# Altium PCB FMC_DAC_125M_14B_16CHA.PcbDoc (part 7 of 9) (continued)
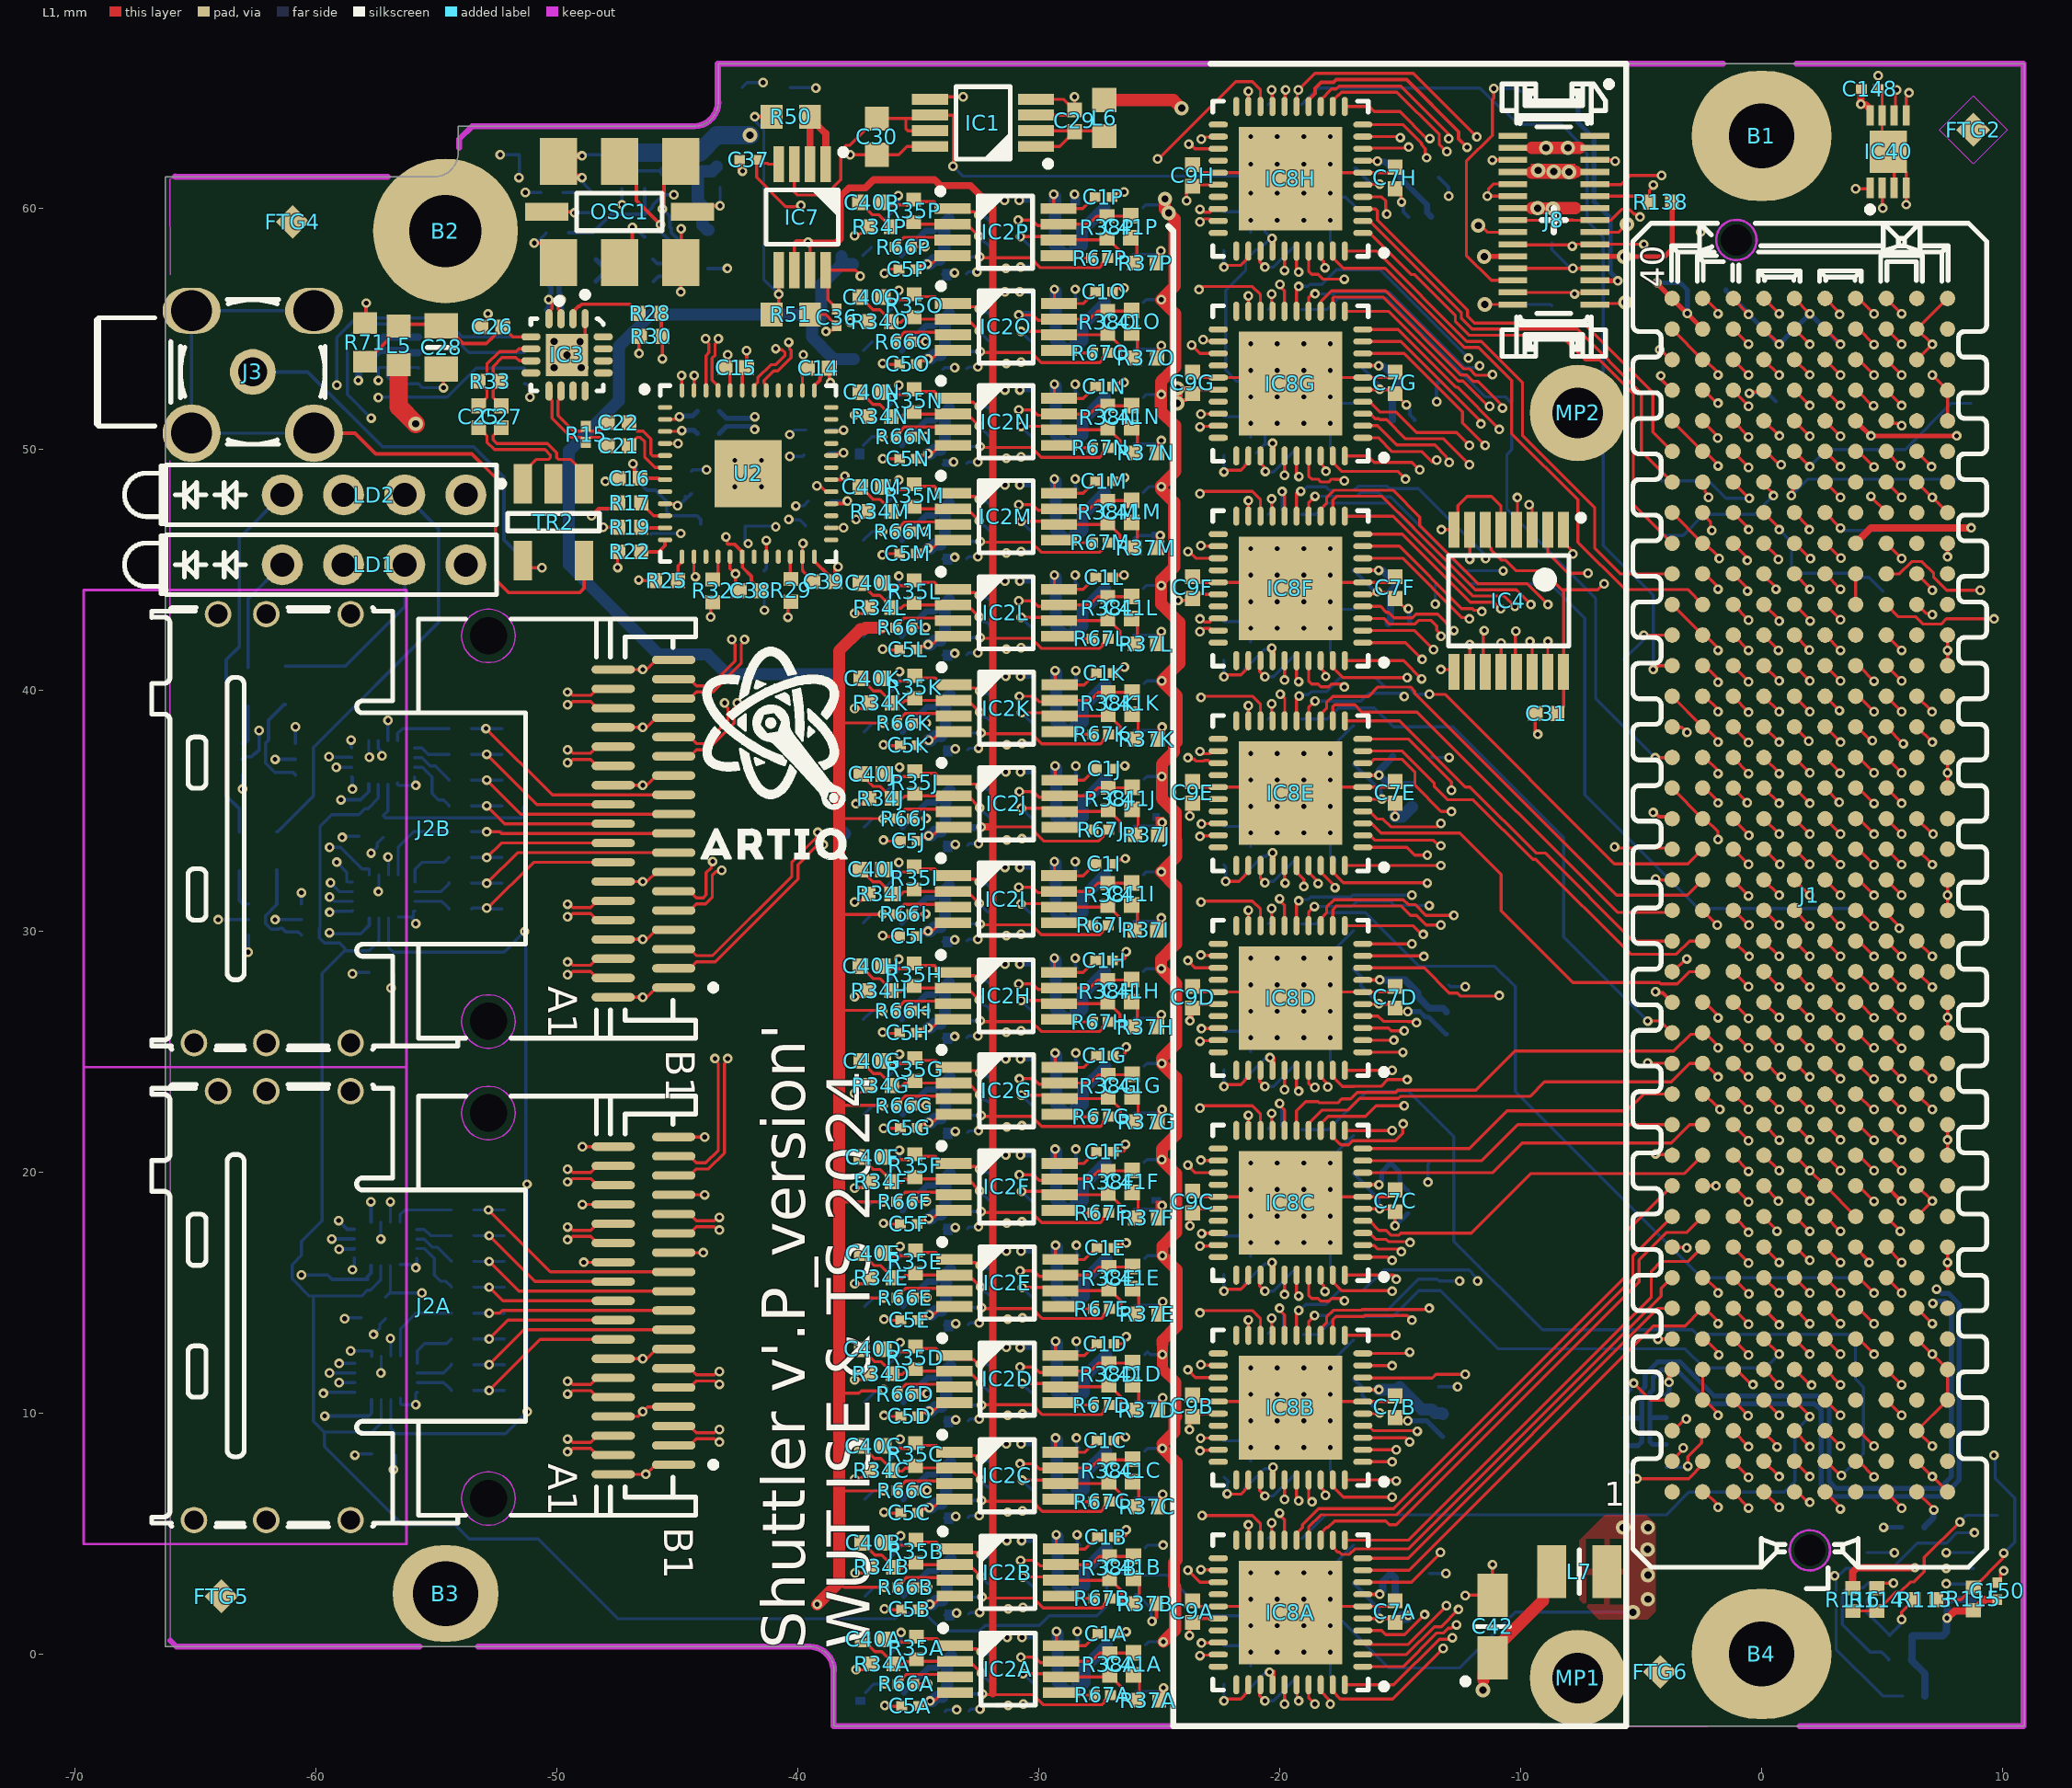
[diagram p0: L1 view]
## Nets (pads, with @x,y where several pads share a name; then routed paths per layer and width w, separated by ;. In a path a pad name is that pad's centre, name@x,y a point inside that pad or via, vN(x,y) a via of type N, cw(c..) or ccw(c..) an arc to the next point about the centre after c; other vN are vias at no path point) (continued)
  L8 w0.127: v1(-29.353,48.763) -29.301,48.71 -29.301,48.61 -29.3,48.609 -29.234,48.544 -29.234,48.471 -29.098,48.334 C2M.1@-29.073,48.334 ; C3M.1@-28.662,46.274 C3M.1@-28.662,46.873
  L8 w0.5: v1@-29.3,48.684 -29.3,48.609 -29.3,48.334 -29.3,46.649 -28.925,46.274 C3M.1@-28.662,46.274 -28.565,46.274 -28.19,46.649 -28.19,47.257 -27.258,48.189 L1M.1@-27.258,48.214
NetC1N_1: C1N.1 C2N.1 C3N.1 IC2N.8 L1N.1 | length 9
  L1 w0.127: v1(-29.353,52.7) -29.353,52.271 -29.192,52.11 IC2N.8@-29.16,52.11 -29.156,52.106 -28.153,52.106 -27.661,52.598 C1N.1@-27.636,52.598
  L8 w0.127: v1(-29.353,52.7) -29.301,52.647 -29.301,52.547 -29.3,52.546 -29.234,52.481 -29.234,52.408 -29.098,52.271 C2N.1@-29.073,52.271 ; C3N.1@-28.662,50.211 C3N.1@-28.662,50.81
  L8 w0.5: v1@-29.3,52.621 -29.3,52.546 -29.3,52.271 -29.3,50.586 -28.925,50.211 C3N.1@-28.662,50.211 -28.565,50.211 -28.19,50.586 -28.19,51.194 -27.258,52.126 L1N.1@-27.258,52.151
NetC1O_1: C1O.1 C2O.1 C3O.1 IC2O.8 L1O.1 | length 9
  L1 w0.127: v1(-29.353,56.637) -29.353,56.208 -29.192,56.047 IC2O.8@-29.16,56.047 -29.156,56.043 -28.153,56.043 -27.661,56.535 C1O.1@-27.636,56.535
  L8 w0.127: v1(-29.353,56.637) -29.301,56.585 -29.301,56.484 -29.3,56.483 -29.234,56.418 -29.234,56.345 -29.098,56.208 C2O.1@-29.073,56.208 ; C3O.1@-28.662,54.148 C3O.1@-28.662,54.747
  L8 w0.5: v1@-29.3,56.558 -29.3,56.483 -29.3,56.208 -29.3,54.523 -28.925,54.148 C3O.1@-28.662,54.148 -28.565,54.148 -28.19,54.523 -28.19,55.131 -27.258,56.063 L1O.1@-27.258,56.088
NetC1P_1: C1P.1 C2P.1 C3P.1 IC2P.8 L1P.1 | length 9
  L1 w0.127: v1(-29.379,60.574) -29.379,60.145 -29.217,59.984 IC2P.8@-29.185,59.984 -29.182,59.98 -28.179,59.98 -27.687,60.472 C1P.1@-27.662,60.472
  L8 w0.127: v1(-29.379,60.574) -29.327,60.522 -29.327,60.421 -29.325,60.42 -29.26,60.355 -29.26,60.282 -29.123,60.145 C2P.1@-29.098,60.145 ; C3P.1@-28.688,58.085 C3P.1@-28.688,58.684
  L8 w0.5: v1@-29.325,60.495 -29.325,60.42 -29.325,60.145 -29.325,58.46 -28.95,58.085 C3P.1@-28.688,58.085 -28.59,58.085 -28.215,58.46 -28.215,59.068 -27.283,60 L1P.1@-27.283,60.025
NetC4A_1: C4A.1 C5A.1 C6A.2 IC2A.4 L2A.2 | length 6.1
  L1 w0.127: C5A.1@-34.988,-2.164 -34.852,-2.028 -34.659,-2.028 -34.586,-1.955 v1(-34.512,-1.955) ; v1@-34.474,-1.91 -34.467,-1.903 -34.297,-1.903 -33.999,-1.605 IC2A.4@-33.474,-1.605
  L8 w0.254: L2A.2@-35.592,-1.605 -35.592,-1.58 -34.591,-0.579 -34.236,-0.579 C6A.2@-33.916,-0.259
  L8 w0.5: v1(-34.512,-1.955) -34.416,-1.955 -34.246,-1.785 C4A.1@-33.988,-1.785 ; C4A.1@-33.957,-1.693 -33.811,-1.548 C6A.2@-33.811,-0.456 ; C6A.2@-33.811,-0.261 C6A.2@-33.632,-0.081
NetC4B_1: C4B.1 C5B.1 C6B.2 IC2B.4 L2B.2 | length 6.1
  L1 w0.127: C5B.1@-34.998,1.849 -34.861,1.986 -34.668,1.986 -34.596,2.058 v1(-34.522,2.058) ; v1@-34.484,2.103 -34.477,2.11 -34.306,2.11 -34.009,2.408 IC2B.4@-33.484,2.408
  L8 w0.254: L2B.2@-35.602,2.408 -35.602,2.433 -34.601,3.434 -34.246,3.434 C6B.2@-33.925,3.754
  L8 w0.5: v1(-34.522,2.058) -34.426,2.058 -34.256,2.228 C4B.1@-33.998,2.228 ; C4B.1@-33.966,2.321 -33.821,2.466 C6B.2@-33.821,3.557 ; C6B.2@-33.821,3.752 C6B.2@-33.641,3.932
NetC4C_1: C4C.1 C5C.1 C6C.2 IC2C.4 L2C.2 | length 6.1
  L1 w0.127: C5C.1@-35.023,5.862 -34.887,5.999 -34.694,5.999 -34.621,6.071 v1(-34.547,6.071) ; v1@-34.51,6.116 -34.502,6.123 -34.332,6.123 -34.034,6.421 IC2C.4@-33.509,6.421
  L8 w0.254: L2C.2@-35.627,6.421 -35.627,6.446 -34.626,7.447 -34.271,7.447 C6C.2@-33.951,7.767
  L8 w0.5: v1(-34.547,6.071) -34.452,6.071 -34.281,6.242 C4C.1@-34.023,6.242 ; C4C.1@-33.992,6.334 -33.847,6.479 C6C.2@-33.847,7.57 ; C6C.2@-33.847,7.765 C6C.2@-33.667,7.945
NetC4D_1: C4D.1 C5D.1 C6D.2 IC2D.4 L2D.2 | length 6.1
  L1 w0.127: C5D.1@-35.023,9.876 -34.887,10.012 -34.694,10.012 -34.621,10.084 v1(-34.547,10.084) ; v1@-34.51,10.13 -34.502,10.137 -34.332,10.137 -34.034,10.434 IC2D.4@-33.509,10.434
  L8 w0.254: L2D.2@-35.627,10.434 -35.627,10.459 -34.626,11.46 -34.271,11.46 C6D.2@-33.951,11.781
  L8 w0.5: v1(-34.547,10.084) -34.452,10.084 -34.281,10.255 C4D.1@-34.023,10.255 ; C4D.1@-33.992,10.347 -33.847,10.492 C6D.2@-33.847,11.583 ; C6D.2@-33.847,11.779 C6D.2@-33.667,11.958
NetC4E_1: C4E.1 C5E.1 C6E.2 IC2E.4 L2E.2 | length 6.1
  L1 w0.127: C5E.1@-35.023,13.863 -34.887,14 -34.694,14 -34.621,14.072 v1(-34.547,14.072) ; v1@-34.51,14.117 -34.502,14.124 -34.332,14.124 -34.034,14.422 IC2E.4@-33.509,14.422
  L8 w0.254: L2E.2@-35.627,14.422 -35.627,14.447 -34.626,15.448 -34.271,15.448 C6E.2@-33.951,15.768
  L8 w0.5: v1(-34.547,14.072) -34.452,14.072 -34.281,14.243 C4E.1@-34.023,14.243 ; C4E.1@-33.992,14.335 -33.847,14.48 C6E.2@-33.847,15.571 ; C6E.2@-33.847,15.766 C6E.2@-33.667,15.946
NetC4F_1: C4F.1 C5F.1 C6F.2 IC2F.4 L2F.2 | length 6.1
  L1 w0.127: C5F.1@-35.049,17.851 -34.912,17.987 -34.719,17.987 -34.647,18.06 v1(-34.573,18.06) ; v1@-34.535,18.105 -34.528,18.112 -34.357,18.112 -34.06,18.41 IC2F.4@-33.535,18.41
  L8 w0.254: L2F.2@-35.653,18.41 -35.653,18.435 -34.652,19.436 -34.296,19.436 C6F.2@-33.976,19.756
  L8 w0.5: v1(-34.573,18.06) -34.477,18.06 -34.307,18.23 C4F.1@-34.049,18.23 ; C4F.1@-34.017,18.322 -33.872,18.468 C6F.2@-33.872,19.559 ; C6F.2@-33.872,19.754 C6F.2@-33.692,19.934
NetC4G_1: C4G.1 C5G.1 C6G.2 IC2G.4 L2G.2 | length 6.1
  L1 w0.127: C5G.1@-35.049,21.839 -34.912,21.975 -34.719,21.975 -34.647,22.048 v1(-34.573,22.048) ; v1@-34.535,22.093 -34.528,22.1 -34.357,22.1 -34.06,22.398 IC2G.4@-33.535,22.398
  L8 w0.254: L2G.2@-35.653,22.398 -35.653,22.423 -34.652,23.424 -34.296,23.424 C6G.2@-33.976,23.744
  L8 w0.5: v1(-34.573,22.048) -34.477,22.048 -34.307,22.218 C4G.1@-34.049,22.218 ; C4G.1@-34.017,22.31 -33.872,22.455 C6G.2@-33.872,23.547 ; C6G.2@-33.872,23.742 C6G.2@-33.692,23.922
NetC4H_1: C4H.1 C5H.1 C6H.2 IC2H.4 L2H.2 | length 6.1
  L1 w0.127: C5H.1@-35.074,25.776 -34.938,25.912 -34.745,25.912 -34.672,25.985 v1(-34.598,25.985) ; v1@-34.56,26.03 -34.553,26.037 -34.383,26.037 -34.085,26.335 IC2H.4@-33.56,26.335
  L8 w0.254: L2H.2@-35.678,26.335 -35.678,26.36 -34.677,27.361 -34.322,27.361 C6H.2@-34.002,27.681
  L8 w0.5: v1(-34.598,25.985) -34.502,25.985 -34.332,26.155 C4H.1@-34.074,26.155 ; C4H.1@-34.043,26.247 -33.897,26.392 C6H.2@-33.897,27.484 ; C6H.2@-33.897,27.679 C6H.2@-33.718,27.859
NetC4I_1: C4I.1 C5I.1 C6I.2 IC2I.4 L2I.2 | length 6.1
  L1 w0.127: C5I.1@-35.074,29.789 -34.938,29.925 -34.745,29.925 -34.672,29.998 v1(-34.598,29.998) ; v1@-34.56,30.043 -34.553,30.05 -34.383,30.05 -34.085,30.348 IC2I.4@-33.56,30.348
  L8 w0.254: L2I.2@-35.678,30.348 -35.678,30.373 -34.677,31.374 -34.322,31.374 C6I.2@-34.002,31.694
  L8 w0.5: v1(-34.598,29.998) -34.502,29.998 -34.332,30.168 C4I.1@-34.074,30.168 ; C4I.1@-34.043,30.26 -33.897,30.406 C6I.2@-33.897,31.497 ; C6I.2@-33.897,31.692 C6I.2@-33.718,31.872
NetC4J_1: C4J.1 C5J.1 C6J.2 IC2J.4 L2J.2 | length 6.1
  L1 w0.127: C5J.1@-35.049,33.751 -34.912,33.888 -34.719,33.888 -34.647,33.96 v1(-34.573,33.96) ; v1@-34.535,34.005 -34.528,34.012 -34.357,34.012 -34.06,34.31 IC2J.4@-33.535,34.31
  L8 w0.254: L2J.2@-35.653,34.31 -35.653,34.335 -34.652,35.336 -34.296,35.336 C6J.2@-33.976,35.656
  L8 w0.5: v1(-34.573,33.96) -34.477,33.96 -34.307,34.131 C4J.1@-34.049,34.131 ; C4J.1@-34.017,34.223 -33.872,34.368 C6J.2@-33.872,35.459 ; C6J.2@-33.872,35.654 C6J.2@-33.692,35.834
NetC4K_1: C4K.1 C5K.1 C6K.2 IC2K.4 L2K.2 | length 6.1
  L1 w0.127: C5K.1@-35.049,37.714 -34.912,37.85 -34.719,37.85 -34.647,37.923 v1(-34.573,37.923) ; v1@-34.535,37.968 -34.528,37.975 -34.357,37.975 -34.06,38.273 IC2K.4@-33.535,38.273
  L8 w0.254: L2K.2@-35.653,38.273 -35.653,38.298 -34.652,39.299 -34.296,39.299 C6K.2@-33.976,39.619
  L8 w0.5: v1(-34.573,37.923) -34.477,37.923 -34.307,38.093 C4K.1@-34.049,38.093 ; C4K.1@-34.017,38.185 -33.872,38.33 C6K.2@-33.872,39.422 ; C6K.2@-33.872,39.617 C6K.2@-33.692,39.797
NetC4L_1: C4L.1 C5L.1 C6L.2 IC2L.4 L2L.2 | length 6.1
  L1 w0.127: C5L.1@-35.074,41.676 -34.938,41.813 -34.745,41.813 -34.672,41.885 v1(-34.598,41.885) ; v1@-34.56,41.93 -34.553,41.937 -34.383,41.937 -34.085,42.235 IC2L.4@-33.56,42.235
  L8 w0.254: L2L.2@-35.678,42.235 -35.678,42.26 -34.677,43.261 -34.322,43.261 C6L.2@-34.002,43.581
  L8 w0.5: v1(-34.598,41.885) -34.502,41.885 -34.332,42.055 C4L.1@-34.074,42.055 ; C4L.1@-34.043,42.148 -33.897,42.293 C6L.2@-33.897,43.384 ; C6L.2@-33.897,43.579 C6L.2@-33.718,43.759
NetC4M_1: C4M.1 C5M.1 C6M.2 IC2M.4 L2M.2 | length 6.1
  L1 w0.127: C5M.1@-35.074,45.664 -34.938,45.8 -34.745,45.8 -34.672,45.873 v1(-34.598,45.873) ; v1@-34.56,45.918 -34.553,45.925 -34.383,45.925 -34.085,46.223 IC2M.4@-33.56,46.223
  L8 w0.254: L2M.2@-35.678,46.223 -35.678,46.248 -34.677,47.249 -34.322,47.249 C6M.2@-34.002,47.569
  L8 w0.5: v1(-34.598,45.873) -34.502,45.873 -34.332,46.043 C4M.1@-34.074,46.043 ; C4M.1@-34.043,46.135 -33.897,46.281 C6M.2@-33.897,47.372 ; C6M.2@-33.897,47.567 C6M.2@-33.718,47.747
NetC4N_1: C4N.1 C5N.1 C6N.2 IC2N.4 L2N.2 | length 6.1
  L1 w0.127: C5N.1@-35.074,49.601 -34.938,49.737 -34.745,49.737 -34.672,49.81 v1(-34.598,49.81) ; v1@-34.56,49.855 -34.553,49.862 -34.383,49.862 -34.085,50.16 IC2N.4@-33.56,50.16
  L8 w0.254: L2N.2@-35.678,50.16 -35.678,50.185 -34.677,51.186 -34.322,51.186 C6N.2@-34.002,51.506
  L8 w0.5: v1(-34.598,49.81) -34.502,49.81 -34.332,49.98 C4N.1@-34.074,49.98 ; C4N.1@-34.043,50.072 -33.897,50.218 C6N.2@-33.897,51.309 ; C6N.2@-33.897,51.504 C6N.2@-33.718,51.684
NetC4O_1: C4O.1 C5O.1 C6O.2 IC2O.4 L2O.2 | length 6.1
  L1 w0.127: C5O.1@-35.074,53.538 -34.938,53.675 -34.745,53.675 -34.672,53.747 v1(-34.598,53.747) ; v1@-34.56,53.792 -34.553,53.799 -34.383,53.799 -34.085,54.097 IC2O.4@-33.56,54.097
  L8 w0.254: L2O.2@-35.678,54.097 -35.678,54.122 -34.677,55.123 -34.322,55.123 C6O.2@-34.002,55.443
  L8 w0.5: v1(-34.598,53.747) -34.502,53.747 -34.332,53.917 C4O.1@-34.074,53.917 ; C4O.1@-34.043,54.01 -33.897,54.155 C6O.2@-33.897,55.246 ; C6O.2@-33.897,55.441 C6O.2@-33.718,55.621
NetC4P_1: C4P.1 C5P.1 C6P.2 IC2P.4 L2P.2 | length 6.1
  L1 w0.127: C5P.1@-35.099,57.475 -34.963,57.612 -34.77,57.612 -34.698,57.684 v1(-34.624,57.684) ; v1@-34.586,57.729 -34.579,57.736 -34.408,57.736 -34.11,58.034 IC2P.4@-33.585,58.034
  L8 w0.254: L2P.2@-35.704,58.034 -35.704,58.059 -34.703,59.06 -34.347,59.06 C6P.2@-34.027,59.38
  L8 w0.5: v1(-34.624,57.684) -34.528,57.684 -34.357,57.854 C4P.1@-34.099,57.854 ; C4P.1@-34.068,57.947 -33.923,58.092 C6P.2@-33.923,59.183 ; C6P.2@-33.923,59.378 C6P.2@-33.743,59.558
NetC13_2: C13.2 C14.2 C15.2 C16.2 C38.2 C39.2 L3.1 U2.7 U2.18 U2.24 U2.30 U2.37 U2.43 | length 41.1
  L1 w0.145: v1(-46.844,49.395) -46.784,49.335 -46.784,49.026 C16.2@-46.547,48.788 -45.782,48.788 -45.729,48.736 U2.7@-45.515,48.736 ; v1(-42.985,46.357) -42.937,46.309 -42.937,46.095 -42.898,46.057 -42.636,46.057 -42.315,45.736 U2.18@-42.315,45.536 -42.304,45.525 -42.304,45.101 -41.927,44.724 -41.927,44.513 C38.2@-41.536,44.122 ; U2.43@-42.315,52.436 -42.315,53.198 C15.2@-42.127,53.386 v1(-42.127,54.088) ; U2.24@-39.315,45.536 -39.315,45.349 -38.707,44.741 -38.707,44.739 C39.2@-38.47,44.501 v1@-38.47,45.027 ; U2.37@-39.315,52.436 -39.315,52.636 -39.088,52.862 -39.088,52.97 C14.2@-38.698,53.36 -38.698,52.815 v1(-38.648,52.765) ; U2.30@-38.615,48.736 -38.207,48.736 v1(-38.056,48.887)
  L5 w0.145: v1(-46.844,49.395) -44.105,49.395 ; v1(-42.985,46.357) -42.36,46.357 -40.091,48.627 -40.091,48.887 ; v1(-42.127,54.088) -42.713,53.502 -42.713,50.624 -42.891,50.446 -43.054,50.446 -44.105,49.395 ; -40.856,50.83 -41.356,50.33 ; v1(-38.33,45.116) -38.33,45.961 -38.502,46.133 -38.502,47.356 -38.405,47.454 -38.405,48.677 -38.614,48.887 ; v1@-38.005,48.887 v1(-38.056,48.887) -38.614,48.887 ; -44.105,49.395 -44.191,49.309 -44.191,48.978 -43.957,48.744 -43.364,48.744 -43.177,48.931 -42.583,48.931 -42.165,49.35 -42.165,49.722 -42.297,49.854 -42.297,49.985 -41.952,50.33 -41.356,50.33 ; -41.356,50.33 -41.356,50.152 -40.091,48.887 ; -40.091,48.887 -38.614,48.887
  L8 w0.145: v1@-46.768,49.398 -46.795,49.37 -46.795,49.278 -46.71,49.192 -46.71,48.744 -46.257,48.291 C13.2@-46.082,48.291 -45.907,48.291 -45.455,47.839 -45.455,47.424 -45.265,47.234 -44.186,47.234 -44.025,47.073 L3.1@-44.025,46.909
NetC17_2: C17.2 U2.3 | length 1.4
  L1 w0.127: U2.3@-45.515,50.736 -44.852,50.736 v1(-44.815,50.774)
  L8 w0.203: v1@-44.804,50.774 -44.794,50.783 -44.311,50.783 C17.2@-44.17,50.642
NetC18_2: C18.2 U2.2 | length 1.5
  L1 w0.127: U2.2@-45.515,51.236 -45.504,51.246 -45.084,51.246 -44.983,51.347 v1(-44.914,51.347)
  L8 w0.203: v1(-44.914,51.347) -44.885,51.376 -44.376,51.376 C18.2@-44.17,51.582
NetC19_2: C19.2 C20.2 L4.2 OSC1.6 R5.2 R6.2 R70.1 | length 13.7
  L1 w0.127: v1(-48.956,61.272) -49.268,61.272 OSC1.6@-49.945,61.949 -49.722,62.172 v1(-48.956,62.172)
  L8 w0.127: C20.2@-49.756,62.222 -49.706,62.172 v1(-48.956,62.172) ; C19.2@-49.751,60.654 -48.671,60.654 R5.2@-48.59,60.735 -48.61,60.735 -48.836,60.962 -48.836,60.982 -48.904,61.05 -48.904,61.22 v1(-48.956,61.272) ; v1@-48.956,62.222 -48.125,62.222 L4.2@-48.049,62.298 -47.299,61.548 -45.509,61.548
  L8 w0.508: -45.509,61.536 -44.16,61.536 ; R70.1@-43.72,59.102 -43.77,59.102 -43.966,59.298 -43.966,60.094 -44.16,60.288 -44.16,61.536 ; R6.2@-43.375,61.727 -43.565,61.536 -44.16,61.536
NetC21_2: C21.2 U2.6 | length 2.6
  L1 w0.127: C21.2@-47.004,50.134 -46.757,50.381 -46.757,50.416 -46.683,50.49 -46.534,50.49 -46.357,50.313 -46.357,49.668 -46.046,49.357 -45.925,49.236 U2.6@-45.515,49.236
NetC22_2: C22.2 U2.5 | length 2.4
  L1 w0.127: C22.2@-47.004,51.1 -46.757,50.853 -46.757,50.818 -46.683,50.744 -46.429,50.744 -46.103,50.418 -46.103,49.796 -46.029,49.722 -45.529,49.722 U2.5@-45.515,49.736
NetC25_2: C25.2 IC3.6 R33.2 | length 4.2
  L1 w0.127: C25.2@-53.25,51.796 -52.907,52.139 -52.907,52.474 R33.2@-53.25,52.817 ; R33.2@-53.25,52.817 -52.907,53.161 -52.907,53.532 -52.386,54.053 -51.697,54.053 -51.587,54.164 IC3.6@-51.081,54.164
NetC26_2: C26.2 C28.2 IC3.5 L5.1 R71.2 | length 8.8
  L1 w0.145: R71.2@-57.968,53.635 -57.918,53.635 -56.993,54.561 -56.993,54.703 -56.59,55.106 L5.1@-56.565,55.106 ; L5.1@-56.497,55.174 L5.1@-56.167,55.504 ; L5.1@-56.157,55.133 L5.1@-56.157,55.504 ; L5.1@-56.157,55.189 -54.875,55.189 C28.2@-54.808,55.121 -54.633,55.121 -53.9,54.389 -52.934,54.389 -52.76,54.562 -52.758,54.562 -52.641,54.679 -52.641,54.681 C26.2@-52.25,55.072 -51.842,54.664 IC3.5@-51.081,54.664
NetC27_2: C27.2 IC3.7 R33.1 | length 3.8
  L1 w0.127: C27.2@-52.31,51.795 -52.653,52.138 -52.653,52.474 R33.1@-52.31,52.817 -52.653,53.16 -52.653,53.427 -52.28,53.799 -51.705,53.799 -51.569,53.664 IC3.7@-51.081,53.664
NetC29_1: C29.1 IC1.1 IC1.2 L6.1 | length 4.8
  L1 w0.127: IC1.1@-30.114,62.567 -29.125,62.567 C29.1@-28.515,63.176 C29.1@-28.515,63.217 ; IC1.2@-30.114,63.217 C29.1@-28.515,63.217 ; L6.1@-27.283,62.992 -27.508,63.217 C29.1@-28.515,63.217
NetC40A_1: C40A.1 IC2A.2 R1A.2 R34A.2 R35A.1 | length 6.4
  L1 w0.127: C40A.1@-37.315,0.604 -36.799,0.089 -36.517,0.089 -36.036,-0.392 R34A.2@-36.036,-0.412 -35.603,-0.412 -35.51,-0.319 -35.182,-0.319 R35A.1@-35.084,-0.221 ; R35A.1@-35.036,-0.305 IC2A.2@-33.474,-0.305 -32.88,-0.305 v1(-32.386,-0.799)
  L8 w0.127: v1(-32.386,-0.799) -32.386,-0.812 -32.054,-1.144 -32.019,-1.144 -31.944,-1.219 -31.944,-1.223 -31.918,-1.25 R1A.2@-31.798,-1.25
NetC40A_2: C40A.2 IC2A.1 R35A.2 R36A.1 | length 5.1
  L1 w0.127: C40A.2@-36.405,0.604 -36.3,0.5 -35.303,0.5 R35A.2@-35.084,0.719 -34.995,0.63 -34.235,0.63 -34.161,0.555 -34.161,0.506 -33.999,0.345 IC2A.1@-33.474,0.345 -33.339,0.21 -32.579,0.21 -32.465,0.096 v1(-32.392,0.096)
  L8 w0.127: v1(-32.392,0.096) -32.334,0.096 -32.228,-0.01 -32.069,-0.01 R36A.1@-31.843,-0.236
NetC40B_1: C40B.1 IC2B.2 R1B.2 R34B.2 R35B.1 | length 6.4
  L1 w0.127: C40B.1@-37.325,4.618 -36.809,4.102 -36.527,4.102 -36.046,3.622 R34B.2@-36.046,3.602 ; R34B.2@-36.019,3.574 -35.64,3.574 -35.52,3.695 -35.191,3.695 R35B.1@-35.094,3.792 ; R35B.1@-35.046,3.708 IC2B.2@-33.484,3.708 -32.889,3.708 v1(-32.396,3.214)
  L8 w0.127: v1(-32.396,3.214) -32.396,3.196 -32.112,2.912 -32.028,2.912 -31.954,2.838 -31.954,2.79 -31.927,2.764 R1B.2@-31.807,2.764
NetC40B_2: C40B.2 IC2B.1 R35B.2 R36B.1 | length 5.1
  L1 w0.127: C40B.2@-36.415,4.618 -36.31,4.513 -35.313,4.513 R35B.2@-35.094,4.732 -35.005,4.643 -34.245,4.643 -34.17,4.569 -34.17,4.519 -34.009,4.358 IC2B.1@-33.484,4.358 ; IC2B.1@-33.484,4.358 -33.349,4.223 -32.58,4.223 -32.475,4.119 v1(-32.401,4.119)
  L8 w0.127: v1(-32.401,4.119) -32.352,4.119 -32.237,4.004 -32.079,4.004 R36B.1@-31.853,3.777
NetC40C_1: C40C.1 IC2C.2 R1C.2 R34C.2 R35C.1 | length 6.4
  L1 w0.127: C40C.1@-37.35,8.631 -36.835,8.115 -36.552,8.115 -36.072,7.635 R34C.2@-36.072,7.615 ; R34C.2@-36.044,7.588 -35.666,7.588 -35.545,7.708 -35.217,7.708 R35C.1@-35.119,7.805 ; R35C.1@-35.072,7.721 IC2C.2@-33.509,7.721 -32.915,7.721 v1(-32.421,7.228)
  L8 w0.127: v1(-32.421,7.228) -32.421,7.209 -32.138,6.926 -32.054,6.926 -31.979,6.851 -31.979,6.803 -31.953,6.777 R1C.2@-31.833,6.777
NetC40C_2: C40C.2 IC2C.1 R35C.2 R36C.1 | length 5.1
  L1 w0.127: C40C.2@-36.44,8.631 -36.335,8.526 -35.338,8.526 R35C.2@-35.119,8.745 -35.03,8.656 -34.27,8.656 -34.196,8.582 -34.196,8.533 -34.034,8.371 IC2C.1@-33.509,8.371 ; IC2C.1@-33.509,8.371 -33.375,8.237 -32.614,8.237 -32.501,8.123 v1(-32.427,8.123)
  L8 w0.127: v1(-32.427,8.123) -32.369,8.123 -32.263,8.017 -32.105,8.017 R36C.1@-31.878,7.79
NetC40D_1: C40D.1 IC2D.2 R1D.2 R34D.2 R35D.1 | length 6.4
  L1 w0.127: C40D.1@-37.35,12.644 -36.835,12.129 -36.552,12.129 -36.072,11.648 R34D.2@-36.072,11.628 ; R34D.2@-36.044,11.601 -35.666,11.601 -35.545,11.721 -35.217,11.721 R35D.1@-35.119,11.819 ; R35D.1@-35.072,11.734 IC2D.2@-33.509,11.734 -32.915,11.734 v1(-32.421,11.241)
  L8 w0.127: v1(-32.421,11.241) -32.421,11.228 -32.21,11.017 -32.196,11.017 -31.996,10.817 -31.979,10.817 -31.833,10.67 R1D.2@-31.833,10.65
NetC40D_2: C40D.2 IC2D.1 R35D.2 R36D.1 | length 5.1
  L1 w0.127: C40D.2@-36.44,12.644 -36.335,12.54 -35.338,12.54 R35D.2@-35.119,12.759 -35.03,12.67 -34.27,12.67 -34.196,12.595 -34.196,12.546 -34.034,12.384 IC2D.1@-33.509,12.384 ; IC2D.1@-33.509,12.384 -33.348,12.223 -32.707,12.223 -32.514,12.03 v1(-32.44,12.03)
  L8 w0.127: v1(-32.44,12.03) -32.104,12.03 R36D.1@-31.878,11.804
NetC40E_1: C40E.1 IC2E.2 R1E.2 R34E.2 R35E.1 | length 6.4
  L1 w0.127: C40E.1@-37.35,16.632 -36.835,16.116 -36.552,16.116 -36.072,15.636 R34E.2@-36.072,15.616 ; R34E.2@-36.044,15.589 -35.666,15.589 -35.545,15.709 -35.217,15.709 R35E.1@-35.119,15.806 ; R35E.1@-35.072,15.722 IC2E.2@-33.509,15.722 -32.915,15.722 v1(-32.421,15.229)
  L8 w0.127: v1(-32.421,15.229) -32.421,15.215 -32.21,15.004 -32.19,15.004 -32.14,14.954 -32.129,14.954 -31.979,14.804 -31.953,14.778 R1E.2@-31.833,14.778
NetC40E_2: C40E.2 IC2E.1 R35E.2 R36E.1 | length 5.1
  L1 w0.127: C40E.2@-36.44,16.632 -36.335,16.527 -35.338,16.527 R35E.2@-35.119,16.746 -35.03,16.657 -34.27,16.657 -34.196,16.583 -34.196,16.534 -34.034,16.372 IC2E.1@-33.509,16.372 ; IC2E.1@-33.509,16.372 -33.375,16.238 -32.614,16.238 -32.501,16.124 v1(-32.427,16.124)
  L8 w0.127: v1(-32.427,16.124) -32.369,16.124 -32.263,16.018 -32.105,16.018 R36E.1@-31.878,15.791
NetC40F_1: C40F.1 IC2F.2 R1F.2 R34F.2 R35F.1 | length 6.4
  L1 w0.127: C40F.1@-37.375,20.62 -36.86,20.104 -36.578,20.104 -36.097,19.624 R34F.2@-36.097,19.604 ; R34F.2@-36.07,19.576 -35.691,19.576 -35.571,19.696 -35.242,19.696 R35F.1@-35.145,19.794 ; R35F.1@-35.097,19.71 IC2F.2@-33.535,19.71 -32.94,19.71 v1(-32.447,19.216)
  L8 w0.127: v1(-32.447,19.216) -32.447,19.203 -32.036,18.792 -32.005,18.792 -31.858,18.646 R1F.2@-31.858,18.626
NetC40F_2: C40F.2 IC2F.1 R35F.2 R36F.1 | length 5.1
  L1 w0.127: C40F.2@-36.465,20.62 -36.361,20.515 -35.364,20.515 R35F.2@-35.145,20.734 -35.056,20.645 -34.295,20.645 -34.221,20.571 -34.221,20.521 -34.06,20.36 IC2F.1@-33.535,20.36 -33.4,20.225 -32.64,20.225 -32.526,20.112 v1(-32.452,20.112)
  L8 w0.127: v1(-32.452,20.112) -32.394,20.112 -32.288,20.006 -32.13,20.006 R36F.1@-31.904,19.779
NetC40G_1: C40G.1 IC2G.2 R1G.2 R34G.2 R35G.1 | length 6.4
  L1 w0.127: C40G.1@-37.375,24.607 -36.86,24.092 -36.578,24.092 -36.097,23.611 R34G.2@-36.097,23.591 ; R34G.2@-36.07,23.564 -35.691,23.564 -35.571,23.684 -35.242,23.684 R35G.1@-35.145,23.782 ; R35G.1@-35.097,23.698 IC2G.2@-33.535,23.698 -32.94,23.698 v1(-32.447,23.204)
  L8 w0.127: v1(-32.447,23.204) -32.447,23.191 -32.236,22.98 -32.19,22.98 -32.144,22.934 -32.116,22.934 -32.005,22.822 -32.005,22.78 -31.978,22.753 R1G.2@-31.858,22.753
NetC40G_2: C40G.2 IC2G.1 R35G.2 R36G.1 | length 5.1
  L1 w0.127: C40G.2@-36.465,24.607 -36.361,24.503 -35.364,24.503 R35G.2@-35.145,24.722 -35.056,24.633 -34.295,24.633 -34.221,24.558 -34.221,24.509 -34.06,24.348 IC2G.1@-33.535,24.348 -33.4,24.213 -32.64,24.213 -32.526,24.099 v1(-32.452,24.099)
  L8 w0.127: v1(-32.452,24.099) -32.394,24.099 -32.288,23.993 -32.13,23.993 R36G.1@-31.904,23.767
NetC40H_1: C40H.1 IC2H.2 R1H.2 R34H.2 R35H.1 | length 6.4
  L1 w0.127: C40H.1@-37.401,28.544 -36.885,28.029 -36.603,28.029 -36.122,27.548 R34H.2@-36.122,27.528 ; R34H.2@-36.095,27.501 -35.716,27.501 -35.596,27.621 -35.268,27.621 R35H.1@-35.17,27.719 ; R35H.1@-35.122,27.635 IC2H.2@-33.56,27.635 -32.966,27.635 v1(-32.472,27.141)
  L8 w0.127: v1(-32.472,27.141) -32.472,27.128 -32.261,26.917 -32.203,26.917 -32.116,26.83 -32.105,26.83 -32.03,26.756 -32.03,26.717 -32.004,26.69 R1H.2@-31.884,26.69
NetC40H_2: C40H.2 IC2H.1 R35H.2 R36H.1 | length 5.1
  L1 w0.127: C40H.2@-36.491,28.544 -36.386,28.44 -35.389,28.44 R35H.2@-35.17,28.659 -35.081,28.57 -34.321,28.57 -34.246,28.495 -34.246,28.446 -34.085,28.285 IC2H.1@-33.56,28.285 -33.425,28.15 -32.665,28.15 -32.551,28.036 v1(-32.478,28.036)
  L8 w0.127: v1(-32.478,28.036) -32.42,28.036 -32.314,27.93 -32.155,27.93 R36H.1@-31.929,27.704
NetC40I_1: C40I.1 IC2I.2 R1I.2 R34I.2 R35I.1 | length 6.4
  L1 w0.127: C40I.1@-37.401,32.558 -36.885,32.042 -36.603,32.042 -36.122,31.562 R34I.2@-36.122,31.542 ; R34I.2@-36.095,31.514 -35.716,31.514 -35.596,31.634 -35.268,31.634 R35I.1@-35.17,31.732 ; R35I.1@-35.122,31.648 IC2I.2@-33.56,31.648 -32.966,31.648 v1(-32.472,31.154)
  L8 w0.127: v1(-32.472,31.154) -32.472,31.141 -32.132,30.801 -32.101,30.801 -32.004,30.704 R1I.2@-31.884,30.704
NetC40I_2: C40I.2 IC2I.1 R35I.2 R36I.1 | length 5.1
  L1 w0.127: C40I.2@-36.491,32.558 -36.386,32.453 -35.389,32.453 R35I.2@-35.17,32.672 -35.081,32.583 -34.321,32.583 -34.246,32.509 -34.246,32.459 -34.085,32.298 IC2I.1@-33.56,32.298 -33.425,32.163 -32.665,32.163 -32.551,32.05 v1(-32.478,32.05)
  L8 w0.127: v1(-32.478,32.05) -32.42,32.05 -32.314,31.944 -32.155,31.944 R36I.1@-31.929,31.717
NetC40J_1: C40J.1 IC2J.2 R1J.2 R34J.2 R35J.1 | length 6.4
  L1 w0.127: C40J.1@-37.375,36.52 -36.86,36.004 -36.578,36.004 -36.097,35.524 R34J.2@-36.097,35.504 ; R34J.2@-36.07,35.477 -35.691,35.477 -35.571,35.597 -35.242,35.597 R35J.1@-35.145,35.694 ; R35J.1@-35.097,35.61 IC2J.2@-33.535,35.61 -32.94,35.61 v1(-32.447,35.117)
  L8 w0.127: v1(-32.447,35.117) -32.447,35.103 -32.036,34.692 -32.005,34.692 -31.858,34.546 R1J.2@-31.858,34.526
NetC40J_2: C40J.2 IC2J.1 R35J.2 R36J.1 | length 5.1
  L1 w0.127: C40J.2@-36.465,36.52 -36.361,36.415 -35.364,36.415 R35J.2@-35.145,36.634 -35.056,36.545 -34.295,36.545 -34.221,36.471 -34.221,36.422 -34.06,36.26 IC2J.1@-33.535,36.26 -33.373,36.099 -32.595,36.099 -32.496,35.999 v1(-32.443,35.999)
  L8 w0.127: v1(-32.443,35.999) -32.382,35.999 -32.288,35.906 -32.13,35.906 R36J.1@-31.904,35.679
NetC40K_1: C40K.1 IC2K.2 R1K.2 R34K.2 R35K.1 | length 6.5
  L1 w0.127: C40K.1@-37.375,40.482 -36.86,39.967 -36.578,39.967 -36.097,39.486 R34K.2@-36.097,39.466 ; R34K.2@-36.07,39.439 -35.691,39.439 -35.571,39.559 -35.242,39.559 R35K.1@-35.145,39.657 ; R35K.1@-35.097,39.573 IC2K.2@-33.535,39.573 -32.94,39.573 v1(-32.447,39.079)
  L8 w0.127: v1(-32.447,39.079) -32.447,39.066 -32.236,38.855 -32.16,38.855 -32.005,38.699 -32.005,38.635 R1K.2@-31.858,38.488
NetC40K_2: C40K.2 IC2K.1 R35K.2 R36K.1 | length 5.1
  L1 w0.127: C40K.2@-36.465,40.482 -36.361,40.378 -35.364,40.378 R35K.2@-35.145,40.597 -35.056,40.508 -34.295,40.508 -34.221,40.433 -34.221,40.384 -34.06,40.223 IC2K.1@-33.535,40.223 -33.4,40.088 -32.64,40.088 -32.526,39.974 v1(-32.452,39.974)
  L8 w0.127: v1(-32.452,39.974) -32.394,39.974 -32.288,39.868 -32.13,39.868 R36K.1@-31.904,39.642
NetC40L_1: C40L.1 IC2L.2 R1L.2 R34L.2 R35L.1 | length 6.4
  L1 w0.127: C40L.1@-37.401,44.445 -36.885,43.929 -36.603,43.929 -36.122,43.449 R34L.2@-36.122,43.429 ; R34L.2@-36.095,43.401 -35.716,43.401 -35.596,43.522 -35.268,43.522 R35L.1@-35.17,43.619 ; R35L.1@-35.122,43.535 IC2L.2@-33.56,43.535 -32.966,43.535 v1(-32.472,43.041)
  L8 w0.127: v1(-32.472,43.041) -32.472,43.028 -32.261,42.817 -32.145,42.817 -32.03,42.703 -32.03,42.617 -32.004,42.591 R1L.2@-31.884,42.591
NetC40L_2: C40L.2 IC2L.1 R35L.2 R36L.1 | length 5.1
  L1 w0.127: C40L.2@-36.491,44.445 -36.386,44.34 -35.389,44.34 R35L.2@-35.17,44.559 -35.081,44.47 -34.321,44.47 -34.246,44.396 -34.246,44.346 -34.085,44.185 IC2L.1@-33.56,44.185 -33.425,44.05 -32.665,44.05 -32.551,43.937 v1(-32.478,43.937)
  L8 w0.127: v1(-32.478,43.937) -32.42,43.937 -32.314,43.831 -32.155,43.831 R36L.1@-31.929,43.604
NetC40M_1: C40M.1 IC2M.2 R1M.2 R34M.2 R35M.1 | length 6.4
  L1 w0.127: C40M.1@-37.401,48.433 -36.885,47.917 -36.603,47.917 -36.122,47.437 R34M.2@-36.122,47.417 ; R34M.2@-36.095,47.389 -35.716,47.389 -35.596,47.509 -35.268,47.509 R35M.1@-35.17,47.607 ; R35M.1@-35.122,47.523 IC2M.2@-33.56,47.523 -32.966,47.523 v1(-32.472,47.029)
  L8 w0.127: v1(-32.472,47.029) -32.472,47.016 -32.261,46.805 -32.231,46.805 R1M.2@-32.031,46.605 ; R1M.2@-32.03,46.605 -31.884,46.459 R1M.2@-31.884,46.439
NetC40M_2: C40M.2 IC2M.1 R35M.2 R36M.1 | length 5.1
  L1 w0.127: C40M.2@-36.491,48.433 -36.386,48.328 -35.389,48.328 R35M.2@-35.17,48.547 -35.081,48.458 -34.321,48.458 -34.246,48.384 -34.246,48.334 -34.085,48.173 IC2M.1@-33.56,48.173 -33.425,48.038 -32.665,48.038 -32.551,47.925 v1(-32.478,47.925)
  L8 w0.127: v1(-32.478,47.925) -32.42,47.925 -32.314,47.819 -32.155,47.819 R36M.1@-31.929,47.592
NetC40N_1: C40N.1 IC2N.2 R1N.2 R34N.2 R35N.1 | length 6.4
  L1 w0.127: C40N.1@-37.401,52.37 -36.885,51.854 -36.603,51.854 -36.122,51.374 R34N.2@-36.122,51.354 ; R34N.2@-36.095,51.326 -35.716,51.326 -35.596,51.446 -35.268,51.446 R35N.1@-35.17,51.544 ; R35N.1@-35.122,51.46 IC2N.2@-33.56,51.46 -32.966,51.46 v1(-32.472,50.966)
  L8 w0.127: v1(-32.472,50.966) -32.472,50.953 -32.061,50.542 -32.03,50.542 -31.884,50.396 R1N.2@-31.884,50.376